# Altium PCB work_pcb_1.PcbDoc (part 3 of 3)
Units mm, origin at the board's own origin, x right, y up, seen from the top; angles counter-clockwise.
Board outline 119 x 103.3 mm, 3 copper layers (Top, Signal Layer 1, Bottom), stack 1.927 mm thick; 306 components, 217 nets, 981 pads, 395 vias.
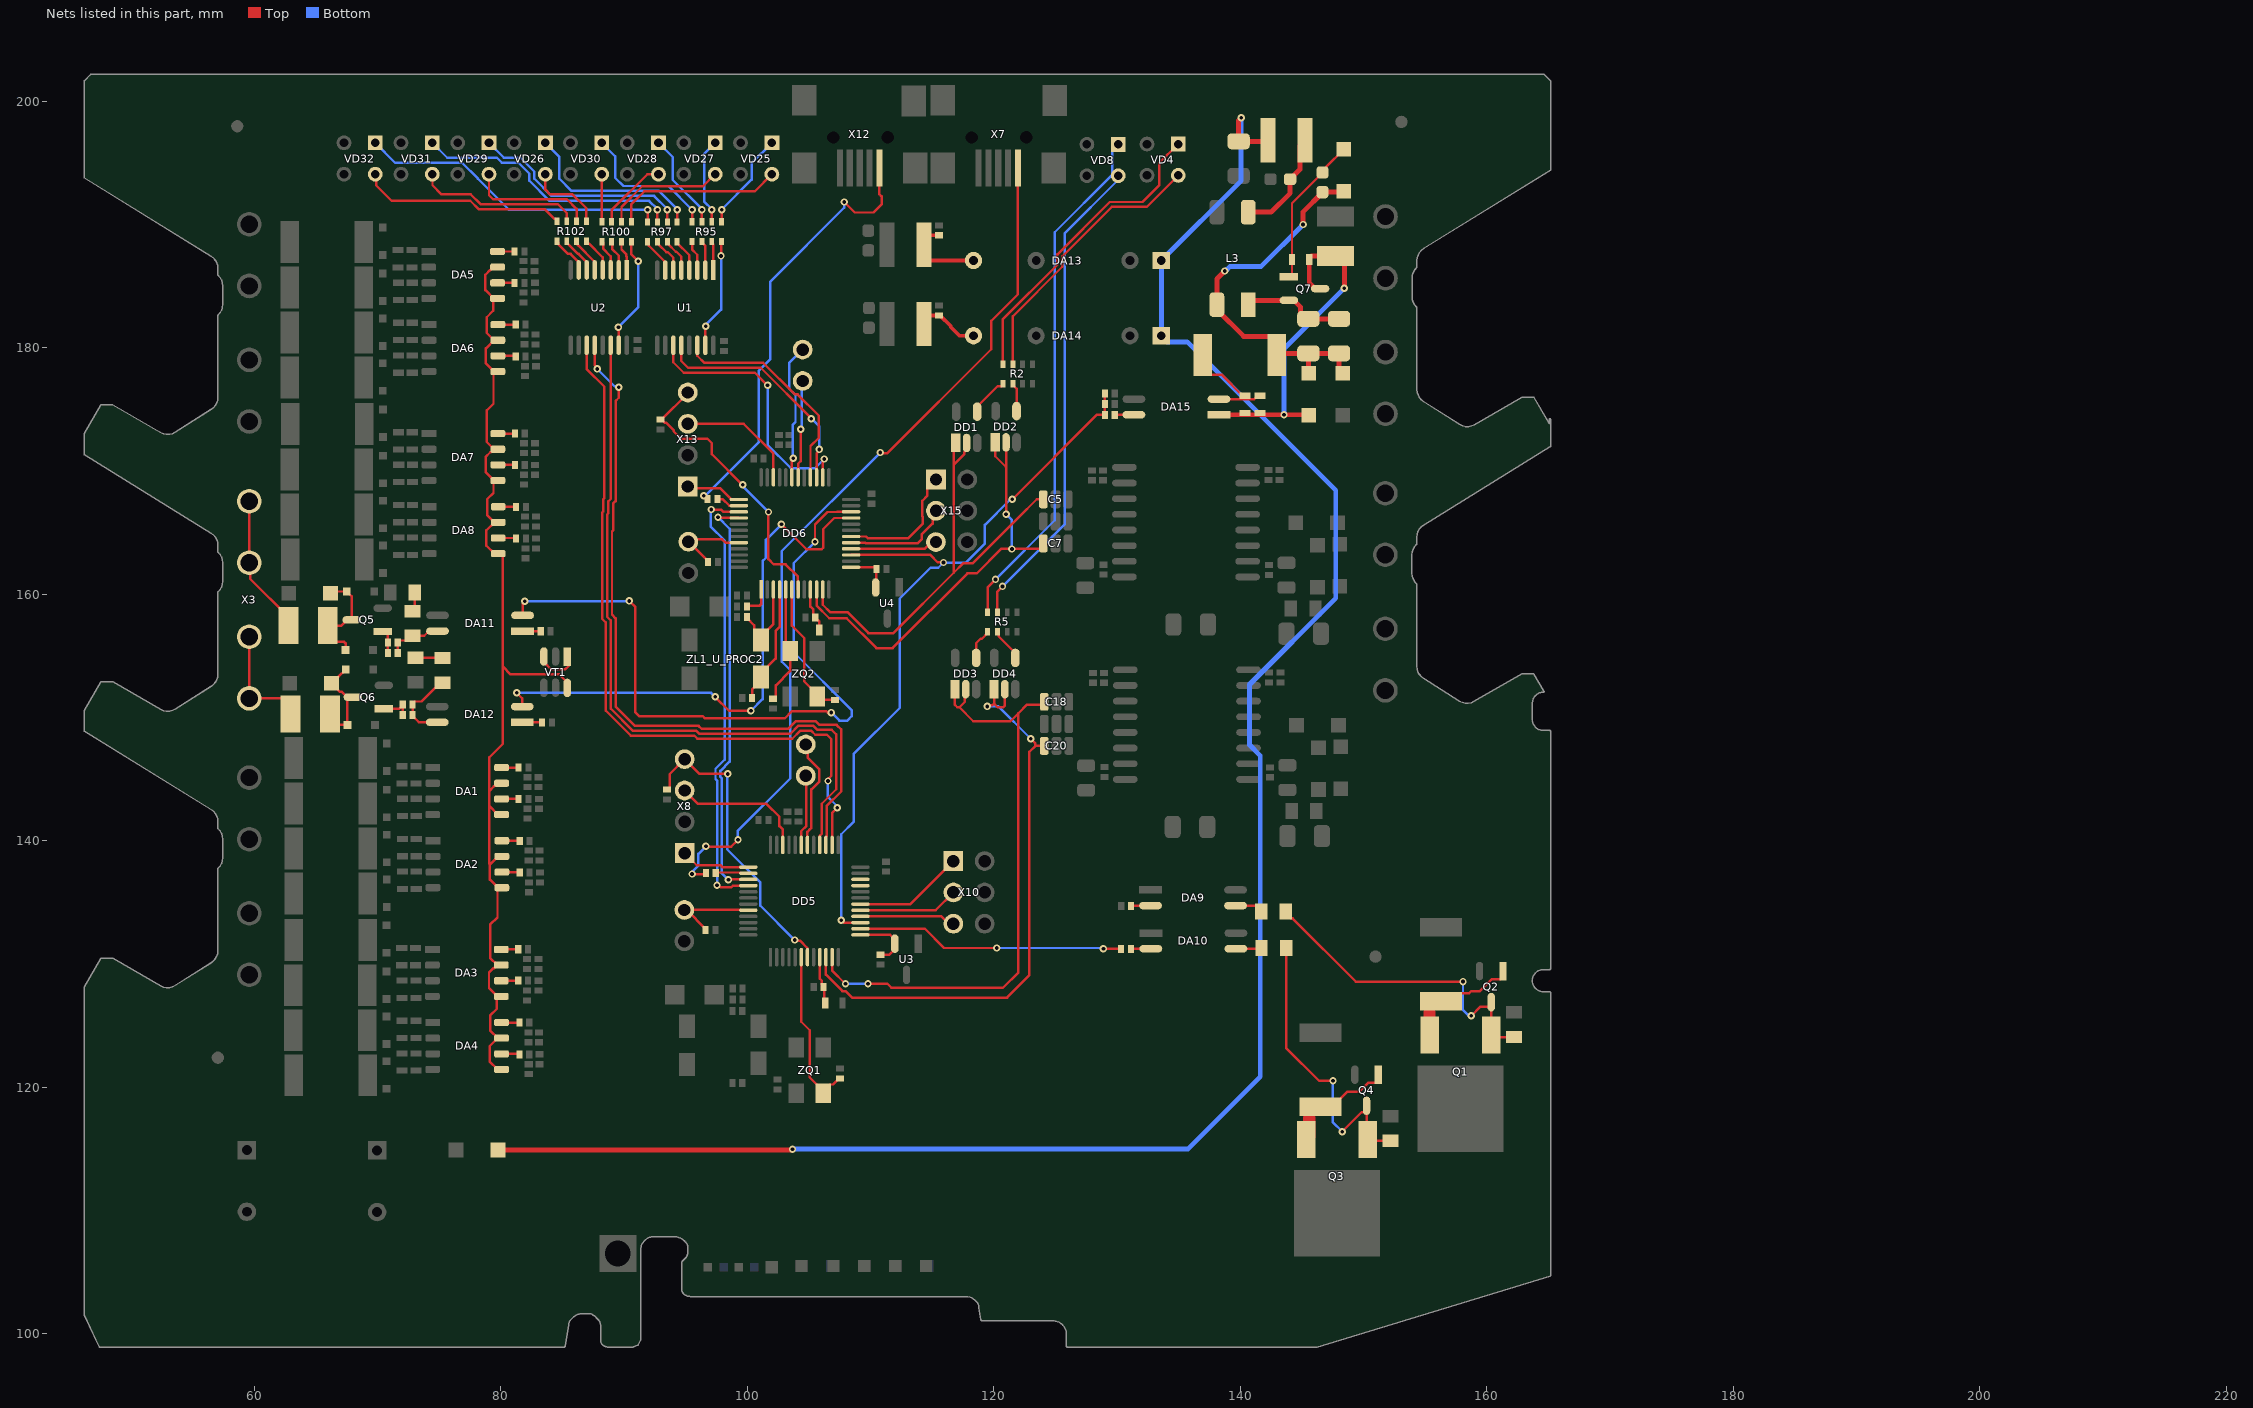
[diagram p4: the nets of this part, all layers, seen from the top]

## Via types
v1: diameter 0.6, hole 0.3, Top to Bottom, tented both sides, 377 vias
v2: diameter 1.27, hole 0.711, Top to Bottom, tented both sides, 18 vias

## Nets (pads, with @x,y where several pads share a name; then routed paths per layer and width w, separated by ;. In a path a pad name is that pad's centre, name@x,y a point inside that pad or via, vN(x,y) a via of type N, cw(c..) or ccw(c..) an arc to the next point about the centre after c; other vN are vias at no path point) (continued)
NetC69_2: C69.2 DD5.6 ZQ1.3 | length 13.6
  Top w0.2: DD5.6@104.388,130.562 104.388,125.312 105.075,124.625 105.075,120.8 ZQ1.3@106.175,119.7 ; ZQ1.3@106.175,119.525 ZQ1.3@106.175,119.7 ; C69.2@107.525,120.725 107.45,120.725 106.95,120.225 106.7,120.225 ZQ1.3@106.175,119.7
NetC70_1: C70.1 DD5.9 L1.2 | length 3.9
  Top w0.2: DD5.9@105.888,130.562 105.888,128.812 106.05,128.65 106.05,128.3 C70.1@106.2,128.15 106.263,128.088 106.263,126.912 L1.2@106.325,126.85
NetC72_2: C72.2 DD5.13 U3.3 | length 5.1
  Top w0.2: DD5.13@109.188,132.362 111.604,132.362 111.975,131.992 U3.3@111.975,131.65 111.975,131.2 111.533,130.758 110.808,130.758 C72.2@110.8,130.75
NetC77_1: C77.1 DD6.1 | length 2.4
  Top w0.2: C77.1@99.975,159.025 100.025,159.075 101,159.075 101.126,159.201 DD6.1@101.126,160.387
NetC78_1: C78.1 DD6.4 ZL1_U_PROC2.2 | length 9.7
  Top w0.2: C78.1@100.4,151.575 100.4,152.275 101.112,152.988 ZL1_U_PROC2.2@101.112,153.288 101.112,153.588 102.3,154.775 102.3,157.025 102.626,157.351 DD6.4@102.626,160.387
NetC79_1: C79.1 DD6.3 ZL1_U_PROC2.1 | length 6.9
  Top w0.2: C79.1@99.975,158.15 99.975,158.075 100.562,157.488 100.562,156.838 ZL1_U_PROC2.1@101.112,156.288 101.112,156.588 102.126,157.601 DD6.3@102.126,160.387
NetC80_1: C80.1 DD6.5 ZQ2.1 | length 9.6
  Top w0.2: C80.1@102.1,151.525 102.175,151.525 102.325,151.675 102.325,152.612 103.475,153.763 ZQ2.1@103.475,155.4 103.126,155.749 DD6.5@103.126,160.387
NetC81_2: C81.2 DD6.6 ZQ2.3 | length 11.1
  Top w0.2: DD6.6@103.626,160.387 103.626,157.449 104.625,156.45 104.625,152.925 105.675,151.875 ZQ2.3@105.675,151.7 105.95,151.425 C81.2@107.125,151.425
NetC82_1: C82.1 DD6.9 L2.2 | length 3.6
  Top w0.2: DD6.9@105.126,160.387 105.126,158.999 105.375,158.75 105.375,158.275 C82.1@105.525,158.125 105.525,158.05 105.675,157.9 105.733,157.9 105.85,157.783 L2.2@105.85,157.1
NetC84_2: C84.2 DD6.13 U4.3 | length 3.7
  Top w0.2: DD6.13@108.426,162.187 110.363,162.187 C84.2@110.5,162.05 110.463,162.012 110.463,160.587 U4.3@110.425,160.55
NetC85_1: C85.1 DA11.4 R12.1 R115.1 | length 4.5
  Top w0.2: R115.1@71.65,155.224 C85.1@71.65,156.099 71.8,156.249 72.461,156.249 R12.1@72.845,156.633 73.795,156.633 74.176,157.014 DA11.4@74.875,157.014
NetC85_2: C85.2 Q5.1 R115.2 | length 2.1
  Top w0.2: Q5.1@70.426,156.975 70.65,156.975 70.85,156.775 C85.2@70.85,156.099 R115.2@70.85,155.224
NetC86_1: C86.1 DA12.4 R16.1 R118.1 | length 6.4
  Top w0.2: DA12.4@74.85,149.615 73.36,149.615 72.85,150.125 C86.1@72.85,150.2 R118.1@72.85,151.075 72.85,151.15 73,151.3 73.586,151.3 75.12,152.833 R16.1@75.27,152.833
NetC86_2: C86.2 Q6.1 R118.2 | length 2.5
  Top w0.2: Q6.1@70.518,150.706 71.757,150.706 R118.2@72.05,151 ; C86.2@72.05,150.2 R118.2@72.05,151 ; R118.2@72.05,151.075 R118.2@72.05,151
NetC87_1: C87.1 C88.1 C89.1 L3.4 R124.1 VD45.A VD46.A VD47.A | length 31.8
  Top w0.4: v1(138.75,186.225) 138.105,185.58 L3.4@138.105,183.5 138.105,183.1 140.28,180.925 142.425,180.925 142.975,180.375 R124.1@142.975,179.425 143.1,179.55 C88.1@145.525,179.55 ; v1(145.1,190) 145.1,191.025 146.675,192.6 C89.1@146.675,192.625 148.325,192.625 VD46.A@148.4,192.7 ; VD45.A@145.551,177.925 145.525,177.951 C88.1@145.525,179.55 ; VD47.A@148.325,177.925 148.025,178.225 C87.1@148.025,179.55 C88.1@145.525,179.55
  Bottom w0.4: v1(138.75,186.225) 138.804,186.225 139.179,186.6 141.7,186.6 v1(145.1,190)
NetC87_2: C87.2 C88.2 L3.1 Q7.3 | length 8.4
  Top w0.4: L3.1@140.645,183.5 140.995,183.85 Q7.3@143.95,183.85 144.346,183.85 144.902,183.294 144.902,182.79 145.343,182.35 C88.2@145.525,182.35 C87.2@148.025,182.35
NetC89_2: C89.2 Q7.1 R119.2 VD46.K | length 12.2
  Top w0.2: Q7.1@143.95,185.75 144,185.75 144.2,185.95 R119.2@144.2,187.15 144.2,191.725 146.675,194.2 C89.2@146.675,194.225 146.965,194.515 146.965,194.665 VD46.K@148.4,196.1
NetC90_2: C90.2 DA13.1 DA14.1 L4.2 VD48.A | length 159.2
  Top w0.4: VD48.A@79.775,114.9 103.6,114.9 v1(103.675,114.975) ; v1(140.075,198.65) 139.875,198.45 C90.2@139.875,196.75 142.175,196.75 L4.2@142.25,196.825
  Bottom w0.4: v1(103.675,114.975) 135.749,114.975 141.625,120.851 141.625,146.906 140.754,147.777 140.754,152.681 147.75,159.676 147.75,168.425 135.7,180.475 134.1,180.475 DA14.1@133.6,180.975 DA13.1@133.6,187.075 140.075,193.55 v1(140.075,198.65)
NetC91_2: C91.2 L3.2 L4.1 | length 8.8
  Top w0.4: L3.2@140.645,191 142.5,191 144.05,192.55 C91.2@144.05,193.675 144.055,193.675 144.327,193.947 144.327,193.952 144.85,194.475 144.85,196.425 L4.1@145.25,196.825
NetC92_1: C92.1 DA13.7 L5.1 | length 6.7
  Top w0.3: C92.1@115.575,189.125 114.85,189.125 114.35,188.625 L5.1@114.35,188.35 114.35,187.575 114.85,187.075 DA13.7@118.36,187.075
NetC96_1: C96.1 DA14.7 L6.1 | length 5.1
  Top w0.3: L6.1@114.35,181.925 114.35,182.125 114.85,182.625 C96.1@115.575,182.625 115.65,182.625 116.512,181.762 116.512,181.687 117.225,180.975 DA14.7@118.36,180.975
NetC98_1: C98.1 DA15.2 R121.1 R124.2 | length 8.8
  Top w0.2: R124.2@136.975,179.425 136.975,178.475 137.625,177.825 138.475,177.825 140.2,176.1 R121.1@140.4,176.1 ; DA15.2@138.275,175.835 141.135,175.835 141.4,176.1 C98.1@141.6,176.1
NetC98_2: C98.2 DA15.1 FU3.2 Q7.2 R119.1 R121.2 VD45.K | length 27.9
  Top w0.4: DA15.1@138.275,174.565 v1(143.55,174.565) 145.511,174.565 VD45.K@145.551,174.525 ; Q7.2@146.475,184.8 146.079,184.8 145.6,185.279 R119.1@145.6,187.15 145.6,187.35 145.65,187.4 145.721,187.4 145.771,187.45 FU3.2@147.725,187.45 147.85,187.45 148.45,186.85 v1(148.45,184.825)
  Bottom w0.4: v1(143.55,174.565) 143.55,179.925 v1(148.45,184.825)
NetDA1_6: DA1.6 R21.2 | length 1.4
  Top w0.2: DA1.6@80.068,143.394 81.44,143.394 R21.2@81.445,143.399
NetDA1_8: DA1.8 R11.2 | length 1.4
  Top w0.2: DA1.8@80.068,145.934 81.43,145.934 R11.2@81.445,145.948
NetDA2_6: DA2.6 R23.2 | length 1.5
  Top w0.2: DA2.6@80.093,137.464 81.492,137.464 R23.2@81.545,137.411
NetDA2_8: DA2.8 R13.2 | length 1.5
  Top w0.2: DA2.8@80.093,140.004 81.54,140.004 R13.2@81.545,139.999
NetDA3_6: DA3.6 R41.2 | length 1.4
  Top w0.2: DA3.6@80.043,128.644 81.415,128.644 R41.2@81.42,128.649
NetDA3_8: DA3.8 R31.2 | length 1.4
  Top w0.2: DA3.8@80.043,131.184 81.405,131.184 R31.2@81.42,131.198
NetDA4_6: DA4.6 R43.2 | length 1.5
  Top w0.2: DA4.6@80.068,122.714 81.467,122.714 R43.2@81.52,122.661
NetDA4_8: DA4.8 R33.2 | length 1.5
  Top w0.2: DA4.8@80.068,125.254 81.515,125.254 R33.2@81.52,125.249
NetDA5_6: DA5.6 R61.2 | length 1.4
  Top w0.2: DA5.6@79.743,185.269 81.115,185.269 R61.2@81.12,185.274
NetDA5_8: DA5.8 R51.2 | length 1.4
  Top w0.2: DA5.8@79.743,187.809 81.105,187.809 R51.2@81.12,187.824
NetDA6_6: DA6.6 R63.2 | length 1.5
  Top w0.2: DA6.6@79.768,179.339 81.167,179.339 R63.2@81.22,179.286
NetDA6_8: DA6.8 R53.2 | length 1.5
  Top w0.2: DA6.8@79.768,181.879 81.215,181.879 R53.2@81.22,181.874
NetDA7_6: DA7.6 R81.2 | length 1.4
  Top w0.2: DA7.6@79.768,170.494 81.14,170.494 R81.2@81.145,170.499
NetDA7_8: DA7.8 R71.2 | length 1.4
  Top w0.2: DA7.8@79.768,173.034 81.131,173.034 R71.2@81.145,173.049
NetDA8_6: DA8.6 R83.2 | length 1.5
  Top w0.2: DA8.6@79.793,164.564 81.192,164.564 R83.2@81.245,164.511
NetDA8_8: DA8.8 R73.2 | length 1.5
  Top w0.2: DA8.8@79.793,167.104 81.24,167.104 R73.2@81.245,167.099
NetDA9_2: DA9.2 R87.2 | length 1.6
  Top w0.2: R87.2@131.15,134.725 131.165,134.74 DA9.2@132.725,134.74
NetDA9_3: DA9.3 R88.2 | length 2.3
  Top w0.2: DA9.3@139.625,134.74 141.3,134.74 141.7,134.34 R88.2@141.7,134.25
NetDA10_2: DA10.2 R91.2 | length 1.6
  Top w0.2: R91.2@131.124,131.225 131.139,131.24 DA10.2@132.749,131.24
NetDA10_3: DA10.3 R92.2 | length 2.1
  Top w0.2: DA10.3@139.649,131.24 141.666,131.24 R92.2@141.726,131.3
NetDA11_1: DA11.1 R114.2 | length 1.5
  Top w0.2: DA11.1@81.775,157.014 81.79,156.999 R114.2@83.25,156.999
NetDA11_2: DA11.2 DD6.22 | length 59
  Top w0.2: DA11.2@81.775,158.284 81.775,159.25 v1(81.95,159.425) ; v1(90.429,159.458) 90.925,158.962 90.925,154.718 90.9,154.693 90.9,150.45 91.23,150.12 96.394,150.12 96.581,149.932 103.049,149.932 103.632,150.515 106.41,150.515 106.592,150.333 106.758,150.333 v1(106.825,150.4) ; v1(105.5,164.25) 105.5,165.65 106.525,166.675 107.301,166.675 107.313,166.687 DD6.22@108.426,166.687
  Bottom w0.2: v1(81.95,159.425) v1@90.429,159.425 ; v1(105.5,164.25) 103.775,162.525 103.775,155.299 108.475,150.599 108.475,150.101 108.124,149.75 107.475,149.75 v1(106.825,150.4)
NetDA12_1: DA12.1 R117.2 | length 1.6
  Top w0.2: DA12.1@81.75,149.615 81.765,149.6 R117.2@83.35,149.6
NetDA12_2: DA12.2 DD6.21 | length 45.5
  Top w0.2: v1(81.3,152) 81.75,151.55 DA12.2@81.75,150.885 ; v1(97.4,151.675) 98.525,150.55 v1(100.3,150.55) ; v1(102.775,165.675) 104.8,163.65 106.033,163.65 106.15,163.767 106.15,165.275 107.062,166.187 DD6.21@108.426,166.187
  Bottom w0.2: v1(81.3,152) 97.075,152 v1(97.4,151.675) ; v1(100.3,150.55) 101.25,151.5 101.25,162.701 101.508,162.959 101.508,164.408 v1(102.775,165.675)
NetDA15_4: DA15.4 R123.2 | length 1.6
  Top w0.2: R123.2@129.825,174.55 129.84,174.565 DA15.4@131.375,174.565
NetDD1_4: DD1.4 R2.1 | length 3.3
  Top w0.2: DD1.4@118.65,174.815 118.65,175.215 120.31,176.875 120.65,176.875 120.75,176.975 R2.1@120.75,177.075
NetDD2_4: DD2.4 R2.2 | length 2.3
  Top w0.2: R2.2@121.55,177.075 121.55,176.975 121.85,176.675 DD2.4@121.85,174.865
NetDD3_4: DD3.4 R5.1 | length 2.6
  Top w0.2: DD3.4@118.575,154.839 118.575,156.03 118.937,156.391 119.037,156.391 119.499,156.853 R5.1@119.499,156.953
NetDD4_4: DD4.4 R5.2 | length 2.7
  Top w0.2: R5.2@120.299,156.953 120.399,156.853 120.399,156.591 121.75,155.239 DD4.4@121.75,154.839
NetDD5_14: DD5.14 R91.1 | length 21.8
  Top w0.2: DD5.14@109.188,132.862 114.413,132.862 115.975,131.3 v1(120.25,131.3) ; v1(128.9,131.25) 130.3,131.25 R91.1@130.324,131.225
  Bottom w0.2: v1(120.25,131.3) 128.85,131.3 v1(128.9,131.25)
NetDD5_16: DD5.16 X10.3 | length 7.8
  Top w0.2: DD5.16@109.188,133.862 115.762,133.862 116.354,133.27 X10.3@116.725,133.27
NetDD5_17: DD5.17 X10.2 | length 8.1
  Top w0.2: DD5.17@109.188,134.362 115.277,134.362 X10.2@116.725,135.81
NetDD5_18: DD5.18 X10.1 | length 9
  Top w0.2: DD5.18@109.188,134.862 113.237,134.862 X10.1@116.725,138.35
NetDD5_21: DD5.21
NetDD5_22: DD5.22
NetDD5_30: DD5.30 X9.2 | length 9
  Top w0.2: X9.2@104.75,147.815 104.916,147.649 104.916,146.715 105.85,145.781 105.85,144.819 105.2,144.169 105.2,141.037 105.107,140.945 105.107,140.943 104.888,140.723 DD5.30@104.888,139.662
NetDD5_31: DD5.31 X9.1 | length 5.8
  Top w0.2: DD5.31@104.388,139.662 104.388,140.788 104.8,141.201 104.8,145.225 X9.1@104.75,145.275
NetDD5_34: DD5.34 X8.3 | length 11
  Top w0.2: X8.3@94.925,144.08 96.011,142.994 101.556,142.994 102.605,141.945 102.605,141.196 102.888,140.913 DD5.34@102.888,139.662
NetDD5_37: DD5.37 X8.1 | length 5.6
  Top w0.2: X8.1@94.925,139 95.908,138.017 96.268,138.017 96.276,138.025 97.824,138.025 97.987,137.862 DD5.37@100.088,137.862
NetDD5_38: DD5.38 R106.1 | length 2.7
  Top w0.2: R106.1@97.45,137.4 97.475,137.425 99.393,137.425 99.456,137.362 DD5.38@100.088,137.362
NetDD5_39: DD5.39 DD6.40 | length 33.8
  Top w0.2: v1(97.63,166.258) 97.685,166.203 99.31,166.203 DD6.40@99.326,166.187 ; v1(98.475,136.825) 98.512,136.862 DD5.39@100.088,136.862
  Bottom w0.2: v1(97.63,166.258) 98.575,165.313 98.575,146.424 97.825,145.674 97.825,145.176 97.95,145.051 97.95,137.35 v1(98.475,136.825)
NetDD5_40: DD5.40 DD6.39 | length 36.3
  Top w0.2: v1(97.075,166.875) 97.875,166.875 98.062,166.687 DD6.39@99.326,166.687 ; v1(97.55,136.4) 97.658,136.4 97.833,136.225 98.724,136.225 98.861,136.362 DD5.40@100.088,136.362
  Bottom w0.2: v1(97.075,166.875) 97.025,166.825 97.025,165.5 98.175,164.35 98.175,146.589 97.425,145.839 97.425,145.011 97.55,144.886 v1(97.55,136.4)
NetDD5_44: DD5.44 R105.2 X6.2 | length 7.5
  Top w0.2: X6.2@94.9,134.39 94.914,134.376 X6.2@95.099,134.376 ; R105.2@96.625,132.775 96.625,132.85 X6.2@95.099,134.376 ; DD5.44@100.088,134.362 99.456,134.362 99.418,134.4 95.123,134.4 X6.2@95.099,134.376
NetDD6_16: DD6.16 X15.3 | length 7.1
  Top w0.2: DD6.16@108.426,163.687 114.383,163.687 114.931,164.235 X15.3@115.31,164.235
NetDD6_17: DD6.17 X15.2 | length 8.7
  Top w0.2: DD6.17@108.426,164.187 109.574,164.187 109.611,164.15 113.85,164.15 114.15,164.45 114.15,164.836 115.042,165.728 115.042,166.507 X15.2@115.31,166.775
NetDD6_18: DD6.18 X15.1 | length 10.4
  Top w0.2: DD6.18@108.426,164.687 109.639,164.687 109.776,164.55 113.075,164.55 113.212,164.687 114.225,165.7 114.225,166.304 114.21,166.319 114.21,167.585 114.625,168 114.625,168.63 X15.1@115.31,169.315
NetDD6_26: DD6.26 U1.11 | length 21.9
  Top w0.2: U1.11@94,180.201 94,178.825 94.85,177.975 100.625,177.975 v1(101.65,176.95) ; DD6.26@106.126,169.487 106.126,170.742 106.25,170.867 v1(106.25,170.975)
  Bottom w0.2: v1(101.65,176.95) 101.65,172.125 103.55,170.225 105.5,170.225 v1(106.25,170.975)
NetDD6_27: DD6.27 U1.12 | length 18.9
  Top w0.2: U1.12@94.65,180.201 94.65,178.925 95.2,178.375 101.1,178.375 105.2,174.275 v1(105.2,174.25) ; DD6.27@105.626,169.487 105.626,171.417 105.85,171.642 v1(105.85,171.75)
  Bottom w0.2: v1(105.2,174.25) 105.85,173.6 v1(105.85,171.75)
NetDD6_28: DD6.28 U1.14 | length 18
  Top w0.2: U1.14@95.95,180.201 95.95,179.35 96.525,178.775 101.3,178.775 103.865,176.21 104.089,176.21 105.8,174.499 105.8,172.692 105.133,172.025 105.133,169.495 DD6.28@105.126,169.487
NetDD6_30: DD6.30 X14.2 | length 8
  Top w0.2: DD6.30@104.126,169.487 104.126,170.588 104.325,170.788 104.325,173.375 v1(104.35,173.4)
  Bottom w0.2: v1(104.35,173.4) 104.425,173.475 104.425,177.235 X14.2@104.5,177.31
NetDD6_31: DD6.31 X14.1 | length 11.2
  Top w0.2: DD6.31@103.626,169.487 103.626,170.901 103.725,171 v1(103.725,171.036)
  Bottom w0.2: v1(103.725,171.036) 103.7,171.061 103.7,173.775 103.916,173.991 103.916,176.159 103.4,176.675 103.4,178.75 X14.1@104.5,179.85
NetDD6_34: DD6.34 X13.3 | length 9.9
  Top w0.2: X13.3@95.175,173.83 99.72,173.83 102.126,171.424 DD6.34@102.126,169.487
NetDD6_37: DD6.37 X13.1 | length 4.6
  Top w0.2: X13.1@95.175,168.75 95.342,168.583 97.82,168.583 98.716,167.687 DD6.37@99.326,167.687
NetDD6_38: DD6.38 R110.1 | length 2
  Top w0.2: R110.1@97.575,167.725 98,167.725 98.538,167.187 DD6.38@99.326,167.187
NetDD6_44: DD6.44 R109.2 X11.2 | length 6.5
  Top w0.2: X11.2@95.225,164.265 95.287,164.203 X11.2@95.322,164.203 ; R109.2@96.825,162.625 96.825,162.7 X11.2@95.322,164.203 ; DD6.44@99.326,164.187 98.24,164.187 97.969,164.458 95.578,164.458 X11.2@95.322,164.203
NetFU1_1: FU1.1 Q5.2 VD39.A VD40.K VD41.K | length 8.9
  Top w0.2: VD40.K@66.2,160.076 66.35,160.226 VD39.A@67.51,160.226 67.901,159.835 Q5.2@67.901,157.925 67.551,157.925 67.076,157.45 FU1.1@65.976,157.45 65.976,156.833 66.676,156.133 67.293,156.133 67.41,156.016 VD41.K@67.41,155.475
NetFU1_2: FU1.2 X3.1 X3.2 | length 11.4
  Top w0.2: X3.1@59.6,167.55 X3.2@59.6,162.55 59.676,162.474 59.676,161.25 62.776,158.15 FU1.2@62.776,157.45
NetFU2_1: FU2.1 Q6.2 VD42.A VD43.K VD44.K | length 8
  Top w0.2: FU2.1@66.15,150.275 66.15,150.1 66.85,149.4 VD42.A@67.56,149.4 67.56,151.471 Q6.2@67.744,151.656 ; VD44.K@67.435,153.9 66.811,153.275 66.775,153.275 VD43.K@66.275,152.775 66.975,152.075 67.114,152.075 67.533,151.656 Q6.2@67.744,151.656 ; Q6.2@67.993,151.656 Q6.2@67.744,151.656
NetFU2_2: FU2.2 X3.3 X3.4 | length 8.9
  Top w0.2: X3.3@59.6,156.55 59.6,152.125 60.175,151.55 62.25,151.55 62.95,150.85 FU2.2@62.95,150.275
NetQ1_1: Q1.1 Q2.2 R88.1 R89.2 | length 26.5
  Top w0.2: R88.1@143.7,134.25 143.7,134.1 144.1,133.7 144.25,133.7 149.375,128.575 v1(158.075,128.575) ; v1(158.75,125.8) 159.501,126.551 160.181,126.551 Q2.2@160.365,126.736 ; Q2.2@160.365,126.901 Q2.2@160.365,126.736 ; R89.2@162.2,124.075 160.55,124.075 Q1.1@160.375,124.25 160.365,124.26 Q2.2@160.365,126.736
  Bottom w0.2: v1(158.075,128.575) 158.075,126.275 158.525,125.825 158.725,125.825 v1(158.75,125.8)
NetQ1_3: Q1.3 Q2.1 R90.2 | length 9.4
  Top w0.2: Q1.3@155.35,124.275 Q1.3@155.375,124.25 ; 155.35,126.05 R90.2@156.275,126.975 156.925,127.625 158.575,127.625 158.75,127.8 159.445,127.8 160.421,128.776 161.115,128.776 161.315,128.976 Q2.1@161.315,129.426
  Top w1: Q1.3@155.35,124.275 155.35,126.05
NetQ3_1: Q3.1 Q4.2 R92.1 R93.2 | length 24.8
  Top w0.2: R92.1@143.726,131.3 143.726,123.199 146.4,120.525 v1(147.525,120.525) ; v1(148.275,116.4) 149.849,117.974 150.065,117.974 Q4.2@150.249,118.159 ; Q4.2@150.249,118.5 Q4.2@150.249,118.159 ; R93.2@152.175,115.651 150.475,115.651 Q3.1@150.35,115.776 150.249,115.876 Q4.2@150.249,118.159
  Bottom w0.2: v1(147.525,120.525) 147.525,117.15 v1(148.275,116.4)
NetQ3_3: Q3.3 Q4.1 R94.2 | length 9.2
  Top w0.2: Q3.3@145.35,115.776 Q3.3@145.6,116.025 ; 145.6,117.5 R94.2@146.525,118.426 147.475,118.426 148.7,119.65 149.675,119.65 150.4,120.375 150.999,120.375 151.199,120.575 Q4.1@151.199,121.025
  Top w1: Q3.3@145.6,116.025 145.6,117.5
NetR2_7: R2.7 VD4.3 | length 22.5
  Top w0.2: R2.7@121.55,178.675 121.55,182.559 125.563,186.572 125.563,187.412 129.576,191.425 132.415,191.425 VD4.3@134.975,193.986
NetR2_8: R2.8 VD4.1 | length 25.3
  Top w0.2: R2.8@120.75,178.675 120.75,182.325 125.163,186.738 125.163,187.578 129.41,191.825 132.075,191.825 133.425,193.175 133.425,194.975 VD4.1@134.975,196.526
NetR5_7: R5.7 VD8.3 | length 39.5
  Top w0.2: R5.7@120.299,158.553 120.299,160.224 v1(120.713,160.638)
  Bottom w0.2: v1(120.713,160.638) 125.75,165.675 125.75,189.284 130.1,193.634 VD8.3@130.1,193.96
NetR5_8: R5.8 VD8.1 | length 42.3
  Top w0.2: R5.8@119.499,158.553 119.499,160.555 v1(120.147,161.203)
  Bottom w0.2: v1(120.147,161.203) 124.95,166.006 124.95,189.376 129.6,194.026 129.6,196 VD8.1@130.1,196.5
NetR12_2: R12.2 R113.1 | length 1.6
  Top w0.2: R12.2@72.845,158.633 73.025,158.814 R113.1@73.025,160.124
NetR16_2: R16.2 R116.1 | length 2.2
  Top w0.2: R116.1@73.079,154.856 73.101,154.833 R16.2@75.27,154.833
NetR95_1: R95.1 U1.3 | length 2.5
  Top w0.2: R95.1@95.524,188.625 95.524,187.973 95.95,187.547 U1.3@95.95,186.301
NetR95_2: R95.2 U1.2 | length 2.4
  Top w0.2: R95.2@96.324,188.625 96.324,188.525 96.6,188.249 U1.2@96.6,186.301
NetR95_3: R95.3 U1.1 | length 2.4
  Top w0.2: R95.3@97.124,188.625 97.124,188.525 97.25,188.399 U1.1@97.25,186.301
NetR95_4: R95.4 U1.15 | length 9
  Top w0.2: U1.15@96.6,180.201 96.6,181.725 v1(96.625,181.75) ; v1(97.875,187.45) 97.9,187.475 97.9,188.6 R95.4@97.924,188.625
  Bottom w0.2: v1(96.625,181.75) 96.625,181.85 97.875,183.1 v1(97.875,187.45)
NetR95_5: R95.5 VD25.1 | length 8.1
  Top w0.2: R95.5@97.924,190.225 v1(97.924,191.2)
  Bottom w0.2: v1(97.924,191.2) 100.361,193.637 100.361,194.986 VD25.1@102.001,196.626
NetR95_6: R95.6 VD27.1 | length 7
  Top w0.2: R95.6@97.124,190.225 v1(97.124,191.2)
  Bottom w0.2: v1(97.124,191.2) 97.124,191.249 96.5,191.873 96.5,195.726 VD27.1@97.4,196.626
NetR95_7: R95.7 VD28.1 | length 7.9
  Top w0.2: R95.7@96.324,190.225 v1(96.324,191.2)
  Bottom w0.2: VD28.1@92.8,196.626 93.96,195.466 93.96,193.613 96.324,191.249 v1(96.324,191.2)
NetR95_8: R95.8 VD30.1 | length 11.6
  Top w0.2: R95.8@95.524,190.225 v1(95.524,191.2)
  Bottom w0.2: VD30.1@88.2,196.626 89.294,195.532 89.294,193.779 89.95,193.123 93.601,193.123 v1(95.524,191.2)
NetR97_1: R97.1 U1.7 | length 2.9
  Top w0.2: R97.1@91.914,188.6 92.014,188.5 92.014,188.283 93.35,186.948 U1.7@93.35,186.301
NetR97_2: R97.2 U1.6 | length 2.9
  Top w0.2: R97.2@92.714,188.6 92.814,188.5 92.814,188.376 93.445,187.746 93.569,187.746 94,187.315 U1.6@94,186.301
NetR97_3: R97.3 U1.5 | length 2.8
  Top w0.2: R97.3@93.514,188.6 93.614,188.5 93.614,188.376 94.202,187.788 94.262,187.788 94.65,187.401 U1.5@94.65,186.301
NetR97_4: R97.4 U1.4 | length 2.7
  Top w0.2: R97.4@94.314,188.6 94.314,188.5 95.3,187.515 U1.4@95.3,186.301
NetR97_5: R97.5 VD26.1 | length 15
  Top w0.2: R97.5@94.314,190.2 v1(94.314,191.2)
  Bottom w0.2: VD26.1@83.625,196.626 84.76,195.491 84.76,193.713 85.75,192.723 92.84,192.723 94.314,191.249 v1(94.314,191.2)
NetR97_6: R97.6 VD29.1 | length 18.1
  Top w0.2: R97.6@93.514,190.2 v1(93.514,191.2)
  Bottom w0.2: VD29.1@79.05,196.626 80.26,195.415 81.594,195.415 82.725,194.284 82.725,193.713 84.115,192.323 92.44,192.323 93.514,191.249 v1(93.514,191.2)
NetR97_7: R97.7 VD31.1 | length 21.9
  Top w0.2: R97.7@92.714,190.2 v1(92.714,191.2)
  Bottom w0.2: VD31.1@74.45,196.626 75.66,195.415 79.695,195.415 80.095,195.015 81.428,195.015 82.325,194.118 82.325,193.547 83.949,191.923 92.04,191.923 92.714,191.249 v1(92.714,191.2)
NetR97_8: R97.8 VD32.1 | length 25.3
  Top w0.2: R97.8@91.914,190.2 v1(91.914,191.2)
  Bottom w0.2: VD32.1@69.825,196.626 71.435,195.015 76.853,195.015 78.15,193.718 78.15,193.713 80.663,191.2 v1(91.914,191.2)
NetR100_1: R100.1 U2.3 | length 2.6
  Top w0.2: R100.1@88.2,188.611 88.3,188.511 88.3,188.039 88.925,187.414 U2.3@88.925,186.314
NetR100_2: R100.2 U2.2 | length 2.5
  Top w0.2: R100.2@89,188.611 89.036,188.574 89.036,188.011 89.575,187.472 U2.2@89.575,186.314
NetR100_3: R100.3 U2.1 | length 2.5
  Top w0.2: R100.3@89.8,188.611 89.8,187.975 90.2,187.575 90.2,187.409 90.225,187.384 U2.1@90.225,186.314
NetR100_4: R100.4 U2.15 | length 9.3
  Top w0.2: v1(89.55,181.675) 89.562,181.663 89.562,180.227 89.55,180.214 U2.15@89.575,180.214 ; R100.4@90.6,188.611 90.6,187.575 v1(91.15,187.025)
  Bottom w0.2: v1(89.55,181.675) 91.15,183.275 v1(91.15,187.025)
NetR100_5: R100.5 VD25.3 | length 13.8
  Top w0.2: R100.5@90.6,190.211 90.6,191.65 91.65,192.7 100.615,192.7 VD25.3@102.001,194.086
NetR100_6: R100.6 VD27.3 | length 9.9
  Top w0.2: R100.6@89.8,190.211 89.8,191.416 91.484,193.1 96.414,193.1 VD27.3@97.4,194.086
NetR100_7: R100.7 VD28.3 | length 6
  Top w0.2: R100.7@89,190.211 89,191.181 91.9,194.081 92.796,194.081 VD28.3@92.8,194.086
NetR100_8: R100.8 VD30.3 | length 3.9
  Top w0.2: R100.8@88.2,190.211 VD30.3@88.2,194.086
NetR102_1: R102.1 U2.7 | length 3.2
  Top w0.2: R102.1@84.556,188.65 84.656,188.55 84.656,188.426 85.47,187.613 85.673,187.613 86.325,186.961 U2.7@86.325,186.314
NetR102_2: R102.2 U2.6 | length 3
  Top w0.2: R102.2@85.356,188.65 85.456,188.55 85.456,188.426 86.27,187.613 86.323,187.613 86.975,186.961 U2.6@86.975,186.314
NetR102_3: R102.3 U2.5 | length 2.9
  Top w0.2: R102.3@86.156,188.65 86.256,188.55 86.256,188.33 87.625,186.961 U2.5@87.625,186.314
NetR102_4: R102.4 U2.4 | length 2.9
  Top w0.2: R102.4@86.956,188.65 86.956,188.55 87.056,188.45 87.156,188.45 88.275,187.332 U2.4@88.275,186.314
NetR102_5: R102.5 VD26.3 | length 6.3
  Top w0.2: VD26.3@83.625,194.086 83.625,192.825 84,192.45 85.825,192.45 86.956,191.319 R102.5@86.956,190.25
NetR102_6: R102.6 VD29.3 | length 10.3
  Top w0.2: VD29.3@79.05,194.086 79.05,192.375 79.375,192.05 85.375,192.05 86.156,191.269 R102.6@86.156,190.25
NetR102_7: R102.7 VD31.3 | length 13.4
  Top w0.2: VD31.3@74.45,194.086 74.464,194.071 74.464,193.186 75.2,192.45 77.565,192.45 78.365,191.65 84.625,191.65 85.356,190.919 R102.7@85.356,190.25
NetR102_8: R102.8 VD32.3 | length 16.9
  Top w0.2: VD32.3@69.825,194.086 69.889,194.021 69.889,193.186 71.15,191.925 77.524,191.925 78.199,191.25 83.557,191.25 84.356,190.45 84.456,190.45 84.556,190.35 R102.8@84.556,190.25
NetR106_2: R106.2 X7.1 | length 71.6
  Top w0.2: v1(95.525,137.3) 96.55,137.3 R106.2@96.65,137.4 ; v1(96.65,139.55) 96.675,139.525 98.7,139.525 v1(99.25,140.075) ; v1(110.8,171.5) 110.85,171.45 111.375,171.45 119.8,179.875 119.8,182.175 121.962,184.337 X7.1@121.962,194.588
  Bottom w0.2: v1(95.525,137.3) 95.525,137.475 96.037,137.987 96.037,138.937 v1(96.65,139.55) ; v1(99.25,140.075) 99.25,140.825 103.5,145.075 103.5,153.838 102.8,154.537 102.8,163.5 v1(110.8,171.5)
NetR110_2: R110.2 X12.1 | length 35.7
  Top w0.2: v1(96.48,167.983) 96.517,167.983 R110.2@96.775,167.725 ; v1(107.875,191.825) 108.725,190.975 110.25,190.975 110.9,191.625 110.9,192.275 110.724,192.451 X12.1@110.724,194.588
  Bottom w0.2: v1(96.48,167.983) 96.583,167.983 100.925,172.325 100.925,178.125 101.875,179.075 101.875,185.375 107.875,191.375 v1(107.875,191.825)
NetVT1_1: VT1.1 VT1.3 | length 3.6
  Top w0.2: VT1.3@83.5,154.95 83.5,154.5 84.1,153.9 85.225,153.9 85.525,154.2 85.525,154.825 VT1.1@85.4,154.95
OE: DA1.5 DA1.7 DA2.5 DA2.7 DA3.5 DA3.7 DA4.5 DA4.7 DA5.5 DA5.7 DA6.5 DA6.7 DA7.5 DA7.7 DA8.5 DA8.7 VT1.6 | length 85.9
  Top w0.2: DA5.5@79.743,183.999 DA5.5@79.575,183.999 ; DA5.7@79.743,186.539 79.409,186.539 79.169,186.3 79.125,186.3 78.75,185.925 78.75,184.682 79.433,183.999 DA5.5@79.575,183.999 ; DA6.5@79.768,178.069 DA6.5@79.6,178.069 ; DA6.7@79.768,180.609 DA6.7@79.458,180.609 ; DA7.5@79.768,169.224 DA7.5@79.6,169.224 ; DA8.7@79.793,165.834 DA8.7@79.483,165.834 ; DA3.5@80.043,127.374 DA3.5@79.875,127.374 ; DA3.7@80.043,129.914 DA3.7@79.733,129.914 ; DA4.5@80.068,121.444 79.758,121.444 79.1,122.102 79.1,123.326 DA4.7@79.758,123.984 ; DA4.7@80.068,123.984 DA4.7@79.758,123.984 ; DA1.5@80.068,142.124 79.758,142.124 79.075,142.807 ; DA1.7@80.068,144.664 79.734,144.664 79.494,144.425 79.45,144.425 79.075,144.05 ; DA2.5@80.093,136.194 DA2.5@79.925,136.194 ; DA2.7@80.093,138.734 79.783,138.734 79.125,138.076 ; VT1.6@85.4,152.4 85.4,152.85 84.75,153.5 80.8,153.5 80.175,154.125 ; 79.075,142.807 79.075,138.126 79.125,138.076 ; 79.075,142.807 79.075,144.05 ; 79.075,144.05 79.075,146.775 80.175,147.875 80.175,154.125 ; 79.125,138.076 79.125,136.852 79.783,136.194 DA2.5@79.925,136.194 ; DA6.7@79.458,180.609 78.868,181.199 78.868,182.48 79.388,183 79.388,183.813 DA5.5@79.575,183.999 ; DA6.7@79.458,180.609 78.8,179.951 78.8,178.727 79.458,178.069 DA6.5@79.6,178.069 ; DA8.7@79.483,165.834 78.893,166.424 78.893,167.705 79.413,168.225 79.413,169.038 DA7.5@79.6,169.224 ; DA8.7@79.483,165.834 78.825,165.176 78.825,163.952 79.483,163.294 DA8.5@79.793,163.294 79.988,163.294 80.175,163.108 80.175,154.125 ; DA7.5@79.6,169.224 79.458,169.224 78.775,169.907 78.775,171.15 79.15,171.525 79.195,171.525 79.434,171.764 79.434,171.788 78.868,172.354 78.868,174.917 79.413,175.461 79.413,177.883 DA6.5@79.6,178.069 ; DA3.7@79.733,129.914 79.709,129.914 79.469,129.675 79.425,129.675 79.05,129.3 79.05,128.057 79.733,127.374 DA3.5@79.875,127.374 ; DA3.7@79.733,129.914 79.143,130.504 79.143,133.192 79.738,133.787 79.738,136.007 DA2.5@79.925,136.194 ; DA4.7@79.758,123.984 79.168,124.574 79.168,125.854 79.688,126.374 79.688,127.187 DA3.5@79.875,127.374
Pg: C99.2 DD5.15 DD6.15 R120.1 R123.1 | length 62.9
  Top w0.2: v1(107.625,133.55) 107.813,133.362 DD5.15@109.188,133.362 ; DD6.15@108.426,163.187 114.863,163.187 115.45,162.6 115.9,162.6 v1(115.925,162.575) ; v1(121.5,167.7) 128.35,174.55 R123.1@129.025,174.55 C99.2@129.025,175.425 R120.1@129.025,176.3
  Bottom w0.2: v1(107.625,133.55) 107.625,140.525 108.625,141.525 108.625,147.038 112.375,150.788 112.375,159.649 114.876,162.15 115.5,162.15 v1(115.925,162.575) 117.746,162.575 119.287,164.116 119.287,165.635 121.275,167.623 121.423,167.623 v1(121.5,167.7)
res_U_PROC1: C71.1 DD5.7 X8.4 | length 24.9
  Top w0.2: C71.1@93.475,144.15 93.55,144.15 93.7,144.3 93.7,145.395 X8.4@94.925,146.62 96.12,145.425 v1(98.425,145.425) ; v1(103.85,131.95) 103.9,131.9 104.282,131.9 104.872,131.31 104.872,130.578 DD5.7@104.888,130.562
  Bottom w0.2: v1(98.425,145.425) 98.375,145.375 98.375,139.3 101.074,136.601 101.074,134.726 v1(103.85,131.95)
res_U_PROC2: C83.1 DD6.7 X13.4 | length 23.4
  Top w0.2: C83.1@92.975,174.175 C83.1@93.05,174.175 ; X13.4@95.175,176.37 95.175,176.3 C83.1@93.05,174.175 ; v1(99.625,168.875) 97.125,171.375 97.125,172.258 96.758,172.625 94.625,172.625 94.025,173.225 94.025,173.325 93.424,173.925 93.3,173.925 C83.1@93.05,174.175 ; v1(101.725,166.675) 101.721,166.671 101.721,162.854 102.15,162.425 103.121,162.425 104.11,161.436 104.11,160.403 DD6.7@104.126,160.387
  Bottom w0.2: v1(99.625,168.875) 99.625,168.775 v1(101.725,166.675)
RX_485_U_PROC1: C18.1 DD3.1 DD3.2 DD5.11 | length 49.7
  Top w0.2: DD5.11@106.888,130.562 106.888,129.462 107.95,128.4 v1(107.975,128.4) ; v1(109.8,128.4) 111.378,128.4 111.703,128.075 120.75,128.075 122,129.325 122,150.35 ; DD3.1@116.85,152.299 116.85,151.025 117.042,150.833 117.208,150.833 ; DD3.2@117.725,152.299 117.649,152.223 117.649,151.274 117.208,150.833 ; C18.1@124.099,151.274 123.875,151.05 122.7,151.05 122,150.35 ; 117.208,150.833 118.341,149.7 121.35,149.7 122,150.35
  Bottom w0.2: v1(107.975,128.4) v1(109.8,128.4)
RX_485_U_PROC2: C5.1 DD1.1 DD1.2 DD6.11 | length 37.4
  Top w0.2: DD6.11@106.126,160.387 106.126,159.149 106.725,158.55 108.125,158.55 109.825,156.85 111.859,156.85 116.755,161.745 ; DD1.1@116.925,172.275 116.75,172.1 116.75,170.5 ; DD1.2@117.8,172.275 117.8,171.717 117.6,171.517 117.6,171.35 116.75,170.5 ; C5.1@124.024,167.7 124.017,167.707 123.492,167.707 122,166.216 118.284,162.5 117.509,162.5 116.755,161.745 ; 116.75,170.5 116.75,161.75 116.755,161.745
SPI2.MOSI: DD5.28 U2.14 | length 59
  Top w0.2: U2.14@88.925,180.214 88.925,167.73 88.725,167.53 88.725,166.565 88.629,166.469 88.629,158.179 88.925,157.883 88.925,150.728 90.733,148.92 95.878,148.92 96.123,148.675 103.489,148.675 104.129,149.315 105.371,149.315 105.686,149 106.858,149 107.225,148.633 107.225,144.176 106.048,142.999 106.048,140.558 105.903,140.413 105.903,139.678 DD5.28@105.888,139.662
SPI2.SCK: DD5.26 U2.11 | length 59.4
  Top w0.2: U2.11@86.975,180.214 86.975,178.275 88.4,176.85 88.4,167.784 88.325,167.709 88.325,166.73 88.229,166.635 88.229,158.013 88.525,157.718 88.525,150.562 90.567,148.52 95.712,148.52 95.957,148.275 103.654,148.275 104.294,148.915 105.206,148.915 105.521,148.6 106.458,148.6 106.825,148.233 106.825,145.275 106.55,145 v1(106.55,144.85) ; DD5.26@106.888,139.662 106.888,142.239 107.3,142.651 v1(107.3,142.675)
  Bottom w0.2: v1(106.55,144.85) 106.55,143.55 107.3,142.8 v1(107.3,142.675)
SPI2.STCP: DD5.27 U2.12 | length 60.1
  Top w0.2: U2.12@87.625,180.214 87.625,178.596 87.826,178.396 87.829,178.396 v1(87.829,178.284) ; v1(89.575,176.8) 89.575,175.941 89.325,175.691 89.325,167.564 89.125,167.364 89.125,165.189 89.029,165.094 89.029,158.345 89.325,158.049 89.325,150.894 90.899,149.32 96.062,149.32 96.307,149.075 103.323,149.075 103.963,149.715 105.537,149.715 105.852,149.4 107.258,149.4 107.625,149.033 107.625,144.011 106.448,142.833 106.448,140.354 106.388,140.294 DD5.27@106.388,139.662
  Bottom w0.2: v1(87.829,178.284) 89.236,176.877 89.498,176.877 v1(89.575,176.8)
TX_485_U_PROC1: C20.1 DD4.1 DD4.2 DD5.10 | length 48.5
  Top w0.2: DD5.10@106.388,130.562 106.388,129.139 107.726,127.8 107.984,127.8 108.509,127.275 121.081,127.275 122.9,129.094 122.9,142.775 122.9,147.225 123.374,147.699 ; v1(119.475,150.9) 119.552,150.977 119.877,150.977 120.025,151.125 ; DD4.1@120.025,152.299 120.025,151.125 ; DD4.2@120.9,152.299 120.9,150.975 120.75,150.825 120.325,150.825 120.025,151.125 ; v1(123,148.275) 123.374,147.901 123.374,147.699 ; C20.1@124.099,147.699 123.374,147.699
  Bottom w0.2: v1(119.475,150.9) 120.375,150.9 v1(123,148.275)
TX_485_U_PROC2: C7.1 DD2.1 DD2.2 DD6.10 | length 36
  Top w0.2: DD6.10@105.626,160.387 105.626,159.084 106.659,158.05 108.059,158.05 110.484,155.625 111.791,155.625 117.866,161.7 118.625,161.7 120.6,163.675 123.78,163.675 124.024,163.919 C7.1@124.024,164.125 ; DD2.1@120.125,172.325 120.125,171.2 120.975,170.35 121,170.35 ; v1(121,166.5) 121,170.35 ; DD2.2@121,172.325 121,170.35
  Bottom w0.2: v1(121,166.5) 121.475,166.025 v1(121.475,163.675)
pads on no net: R2.3 R2.4 R2.5 R2.6 R5.3 R5.4 R5.5 R5.6 U1.9 U2.9 X7.10 X7.11 X12.10 X12.11 XP1.1c XP1.2c XP1.3 XP1.3c XP1.4c XP1.5c XP1.6 XP1.7 XP1.7f XP1.8 XP1.8f XP1.9 ZL1_U_PROC1.3 ZL1_U_PROC2.3
copper on no net: | length 190.5
  Signal Layer 1 w0.5: 169.375,131.11 209.45,131.11 ; 170.105,124.93 218.51,124.93 ; 170.54,126.92 217.96,126.92
  Bottom w0.254: 132.288,109.009 134.955,109.009 134.955,111.549 132.288,111.549 132.288,109.009
  Bottom w0.381: 113.866,120.835 113.866,122.105 ; 113.866,122.867 113.866,124.137 ; 114.501,120.454 115.263,120.454 ; 114.501,122.486 115.263,122.486 ; 114.501,124.518 115.263,124.518 ; 115.898,120.835 115.898,122.105 ; 115.898,122.867 115.898,124.137 ; 116.914,120.835 116.914,122.105 ; 116.914,122.867 116.914,124.137 ; 117.549,120.454 118.311,120.454 ; 117.549,122.486 118.311,122.486 ; 117.549,124.518 118.311,124.518 ; 118.946,120.835 118.946,122.105 ; 118.946,122.867 118.946,124.137 ; 119.962,120.835 119.962,122.105 ; 119.962,122.867 119.962,124.137 ; 120.597,120.454 121.359,120.454 ; 120.597,122.486 121.359,122.486 ; 120.597,124.518 121.359,124.518 ; 121.994,120.835 121.994,122.105 ; 121.994,122.867 121.994,124.137 ; 123.01,120.835 123.01,122.105 ; 123.01,122.867 123.01,124.137 ; 123.645,120.454 124.407,120.454 ; 123.645,122.486 124.407,122.486 ; 123.645,124.518 124.407,124.518 ; 125.042,120.835 125.042,122.105 ; 125.042,122.867 125.042,124.137 ; 126.058,120.835 126.058,122.105 ; 126.058,122.867 126.058,124.137 ; 126.693,120.454 127.455,120.454 ; 126.693,122.486 127.455,122.486 ; 126.693,124.518 127.455,124.518 ; 128.09,120.835 128.09,122.105 ; 128.09,122.867 128.09,124.137 ; 129.106,120.835 129.106,122.105 ; 129.106,122.867 129.106,124.137 ; 129.741,120.454 130.503,120.454 ; 129.741,122.486 130.503,122.486 ; 129.741,124.518 130.503,124.518 ; 131.138,120.835 131.138,122.105 ; 131.138,122.867 131.138,124.137

## Polygon pours and split planes (outlines as drawn)
GND on Top "Bottom Overlay-No Net" (solid, pour order 10): 136.5,201.5 136.5,194.5 133.5,191.5 129,191.5 126.5,189 126.5,179 128.5,177 132,177 133,176 133,173.5 135,171.5 135,123.5 130.5,119 79,119 79.075,119.075 79.075,146.693 80.65,148.268 80.5,148.418 80.5,161.5 79,163 79,191.015 77.515,192.5 66.5,192.5 66.5,201.5
in24- on Top "Top-in24-" (solid, pour order 8): 151.6,123.5 153.575,125.475 153.575,127.425 152.8,128.2 145.775,128.2 144.8,127.225 144.8,123.5
in24- on Top "Top-in24- 1" (solid, pour order 6): 157.5,132.15 152.925,132.15 150.225,134.85 150.225,137.15 151.025,137.95 158.975,137.95 159.575,137.35 159.575,134.025 157.875,132.325
in24+ on Top "Top-in24+" (solid, pour order 2): 154.325,192.3 154.325,147.95 165,137.275 165,117.4 162.475,117.4 160.475,119.4 160.8,119.725 160.8,137.325 149.625,148.5 149.625,192.3
in24+ on Top "Top-in24+ 1" (solid, pour order 0): 164.775,121.6 164.6,121.775 142.05,121.775 127.025,106.75 127.025,99.5 145.725,99.5 145.9,99.325 164.65,105.175
GND on Bottom "Bottom Overlay-No Net" (solid, pour order 9): 136.5,201.5 136.5,194.5 133.5,191.5 129,191.5 126.5,189 126.5,179 128.5,177 132,177 133,176 133,173.5 135,171.5 135,123.5 130.5,119 79,119 79.075,119.075 79.075,146.693 80.65,148.268 80.5,148.418 80.5,161.5 79,163 79,191.015 77.515,192.5 66.5,192.5 66.5,201.5
in24- on Bottom "Bottom-in24-" (solid, pour order 4): 154.325,192.3 154.325,147.95 165,137.275 165,117.4 156.375,117.4 149.625,124.15 149.625,148.5 149.625,192.3

## Keep-outs
Keep-Out Layer:
  region: 138.4,202.025 138.4,193.65 133.725,188.975 130.675,188.975 129.325,187.625 129.325,180.85 131,179.175 134.775,179.175 135.75,178.2 135.75,177.125 136.375,176.5 136.375,121.8 131.3,116.725 75.625,116.725 75.625,118.3 130.375,118.3 135.425,123.35 135.425,171.7 133.5,173.625 133.5,176.15 132.175,177.475 128.95,177.475 127.175,179.25 127.175,188.6 129.7,191.125 133.825,191.125 137.025,194.325 137.025,201.975
  region: 62.175,201.672 62.175,191.6 63.15,190.625 74.5,190.625 75.425,189.7 75.425,161.375 76.75,160.05 76.75,148.225 75.625,147.1 75.625,117.325 78.575,117.325 78.575,146.975 79.875,148.275 79.875,160.975 78.375,162.475 78.375,190.65 77.4,191.625 65.975,191.625 65.975,201.672
  lines w0.1: 46.25,195.85 46.25,201.6 cw(c46.3,201.6) 46.265,201.636 ; 46.3,127.7 ccw(c46.3,127.65) 46.25,127.65 46.25,101.573 ccw(c46.3,101.573) 46.254,101.552 47.454,98.979 ccw(c47.5,99) 47.5,98.95 85.12,98.95 ccw(c85.12,99) 85.17,98.992 85.471,100.724 ; 164.6,152.1 ccw(c164.6,151.15) 163.65,151.15 163.65,149.85 ccw(c164.6,149.85) 164.6,148.9 165.1,148.9 cw(c165.1,148.85) 165.15,148.85 165.15,129.65 cw(c165.1,129.65) 165.1,129.6 164.6,129.6 ccw(c164.6,128.65) 163.65,128.65 ccw(c164.6,128.65) 164.6,127.7 165.1,127.7 cw(c165.1,127.65) 165.15,127.65 165.15,104.778 cw(c165.1,104.778) 165.115,104.73 ; 165.1,152.1 ccw(c165.1,152.15) 165.15,152.15 ccw(c165.1,152.15) 165.15,152.152 165.15,159.5 ; 165.15,195.85 165.15,201.6 ccw(c165.1,201.6) 165.135,201.636 ; 46.264,201.636 46.764,202.136 ; 46.264,201.636 46.265,201.636 ; 46.764,202.135 cw(c46.8,202.1) 46.8,202.15 164.6,202.15 cw(c164.6,202.1) 164.636,202.135 164.636,202.136 165.136,201.636 ; 46.764,202.135 46.764,202.136 ; 85.471,100.724 ccw(c85.422,100.733) 85.472,100.733 cw(c86.117,100.733) 85.661,101.19 ; 85.471,100.724 85.471,100.725 ; 85.471,100.724 85.471,100.725 ; 85.661,101.19 ccw(c85.625,101.225) 85.661,101.19 ; 85.661,101.19 85.661,101.19 ; 85.661,101.19 85.822,101.351 ; 85.822,101.351 cw(c85.787,101.387) 85.822,101.351 85.822,101.351 ; 85.822,101.351 cw(c86.603,100.57) 86.603,101.675 ; 86.603,101.675 ccw(c86.603,101.725) 86.604,101.675 ; 86.603,101.675 86.604,101.675 ; 86.603,101.675 87.25,101.675 cw(c87.25,101.303) 87.513,101.566 ; 87.513,101.566 ccw(c87.25,101.303) 87.513,101.566 ; 87.513,101.566 87.539,101.539 87.539,101.54 ccw(c87.575,101.575) 87.575,101.525 cw(c87.575,101.435) 87.639,101.498 ; 87.639,101.498 ccw(c87.674,101.534) 87.639,101.498 ; 87.639,101.498 87.639,101.498 ; 87.639,101.498 87.914,101.223 cw(c87.346,100.655) 88.15,100.655 88.15,99.477 ccw(c88.627,99.477) 88.289,99.139 ccw(c88.687,99.537) 88.687,98.975 90.75,98.975 ccw(c90.75,99.025) 90.768,98.978 91.093,99.103 ccw(c91.075,99.15) 91.121,99.129 ; 91.121,99.129 cw(c91.075,99.15) 91.121,99.129 91.121,99.129 ; 91.121,99.129 91.121,99.129 ; 91.121,99.129 91.296,99.504 ; 91.296,99.504 ccw(c91.25,99.525) 91.296,99.504 ; 91.296,99.504 ccw(c91.25,99.525) 91.3,99.525 91.3,106.775 cw(c92.457,106.775) 91.639,107.593 ; 91.296,99.504 91.296,99.504 ; 91.296,99.504 91.296,99.504 ; 91.296,99.504 91.296,99.504 ; 91.639,107.593 ccw(c92.457,106.775) 91.639,107.593 ; 91.639,107.593 ccw(c91.604,107.629) 91.639,107.593 ; 91.639,107.593 91.639,107.593 ; 91.639,107.593 91.661,107.614 ; 91.661,107.614 cw(c91.625,107.65) 91.66,107.614 91.661,107.614 ; 91.661,107.614 cw(c92.41,106.865) 92.41,107.925 94.1,107.925 cw(c94.1,106.768) 94.918,107.586 ccw(c94.954,107.621) 94.918,107.586 95.039,107.464 ; 95.039,107.465 ccw(c95.075,107.5) 95.039,107.464 ; 95.039,107.464 cw(c94.592,107.017) 95.225,107.017 95.225,106.593 cw(c94.507,106.593) 95.015,106.086 ccw(c95.05,106.05) 95.014,106.086 94.768,105.839 ccw(c94.8,105.8) 94.75,105.8 94.75,104.16 cw(c94.715,104.16) 94.739,104.136 ccw(c94.775,104.1) 94.725,104.1 94.725,103.627 ccw(c95.202,103.627) 94.864,103.289 ccw(c95.383,103.808) 95.383,103.075 117.695,103.075 cw(c117.695,101.845) 118.564,102.714 ; 95.039,107.465 95.039,107.464 ; 95.039,107.464 95.039,107.464 ; 118.564,102.714 ccw(c118.6,102.75) 118.565,102.714 ; 118.564,102.714 118.565,102.714 ; 118.564,102.714 118.623,102.655 cw(c118.102,102.133) 118.624,102.655 cw(c118.102,102.133) 118.84,102.133 ccw(c118.89,102.133) 118.84,102.125 ; 118.84,102.125 ccw(c118.89,102.133) 118.84,102.125 ; 118.84,102.125 118.84,102.125 ; 118.84,102.125 118.84,102.125 ; 118.84,102.125 119.01,101.142 ; 119.01,101.142 ccw(c119.06,101.15) 119.01,101.141 ; 119.01,101.141 ccw(c119.06,101.15) 119.06,101.1 124.8,101.1 cw(c124.8,99.95) 125.95,99.95 125.95,99 ccw(c126,99) 126,98.95 146.2,98.95 ccw(c146.2,99) 146.215,98.952 ; 119.01,101.141 119.01,101.141 ; 146.215,98.952 146.215,98.952 ; 146.215,98.952 146.215,98.952 ; 146.215,98.952 165.115,104.73 ; 165.115,104.73 165.115,104.73 165.115,104.73 ; 165.135,201.636 165.136,201.636 ; 165.15,159.5 165.15,158 165.15,159.501

## Other copper
Bottom:
  pour cut-out: 112.7,125.66 132.2,125.66 132.2,119.41 112.7,119.41
  text "Зав.№" at 131.75,126.75 h2.5
  text "ЕРКФ.758725.093Д11" at 157.5,109.56 h2.5
  text "МОСК" at 157.45,106.985 h2.5